# Altium PCB SVPXFMC_Carrier_6U.PcbDoc (part 3 of 3)
Units mm, origin at the board's own origin, x right, y up, seen from the top; angles counter-clockwise.
Board outline 160 x 233.35 mm, 4 copper layers (TopLayer, InternalPlane1, InternalPlane2, BottomLayer), stack 1.6 mm thick; 93 components, 1080 nets, 3926 pads, 0 vias.
Unrouted connection lines stored in the file: 1293.
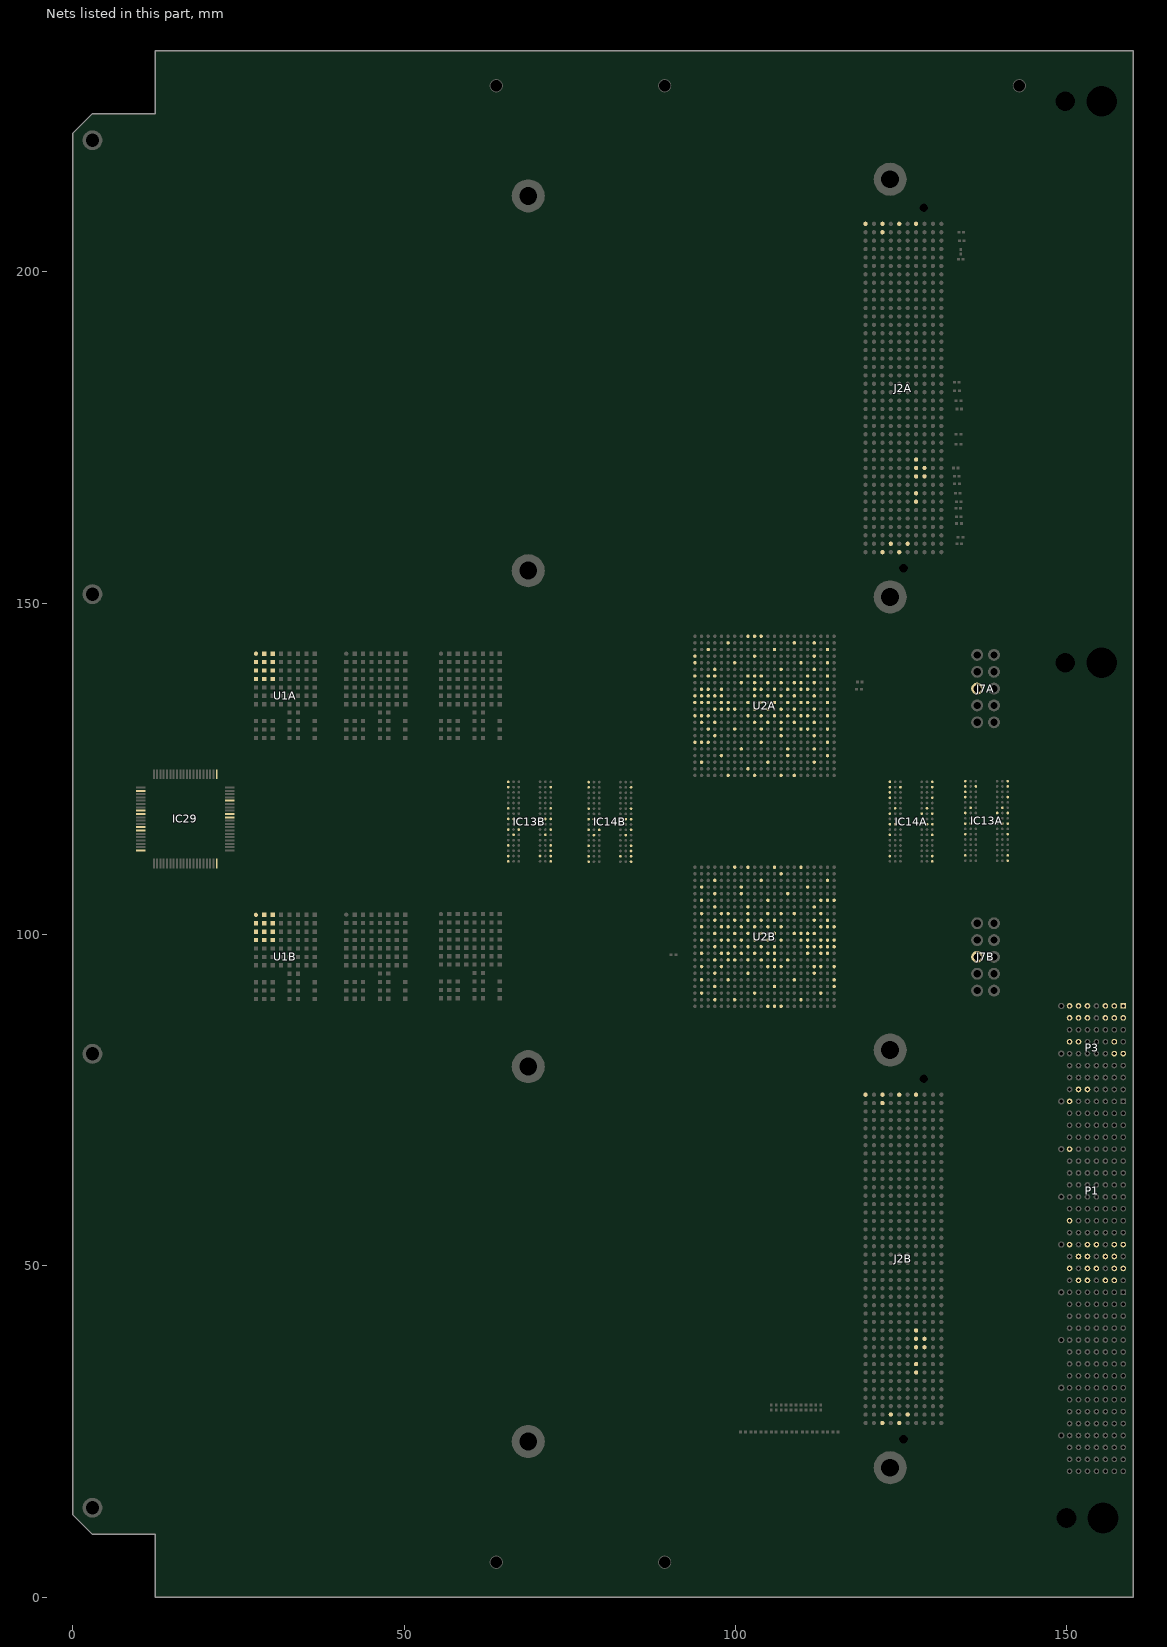
[diagram p5: the nets of this part, all layers, seen from the top]

## Nets (pads, with @x,y where several pads share a name; then routed paths per layer and width w, separated by ;. In a path a pad name is that pad's centre, name@x,y a point inside that pad or via, vN(x,y) a via of type N, cw(c..) or ccw(c..) an arc to the next point about the centre after c; other vN are vias at no path point) (continued)
NetR95B_2: U2B.R9
NetR98A_1: U2A.U2 U2A.U3
NetR98B_1: U2B.U2 U2B.U3
NetR99A_1: U2A.AB10
NetR99B_1: U2B.AB10
NetR100A_2: U2A.AB14
NetR100B_2: U2B.AB14
NetR101A_1: U2A.V15
NetR101B_1: U2B.V15
NetR105_2: 
NetR106_2: 
NetR107_2: 
NetR108_2: 
NRESETA: U2A.N1
NRESETB: U2B.N1
P1V0: U1A.A1 U1A.A2 U1A.A3 U1A.B1 U1A.B2 U1A.B3 U1A.C1 U1A.C2 U1A.C3 U1A.D1 U1A.D2 U1A.D3 U1B.A1 U1B.A2 U1B.A3 U1B.B1 U1B.B2 U1B.B3 U1B.C1 U1B.C2 U1B.C3 U1B.D1 U1B.D2 U1B.D3
P1V0_CORE: U2A.J15 U2A.K12 U2A.K14 U2A.K16 U2A.L11 U2A.L15 U2A.L17 U2A.M12 U2A.M14 U2A.M16 U2A.N11 U2A.N13 U2A.N15 U2A.N17 U2B.J15 U2B.K12 U2B.K14 U2B.K16 U2B.L11 U2B.L15 U2B.L17 U2B.M12 U2B.M14 U2B.M16 U2B.N11 U2B.N13 U2B.N15 U2B.N17
P1V0_XCVR: U2A.B19 U2A.C21 U2A.E21 U2A.G21 U2A.H19 U2A.J21 U2A.K19 U2A.L21 U2A.M19 U2A.N21 U2A.P19 U2A.R21 U2A.T19 U2A.U21 U2A.W21 U2A.Y19 U2B.B19 U2B.C21 U2B.E21 U2B.G21 U2B.H19 U2B.J21 U2B.K19 U2B.L21 U2B.M19 U2B.N21 U2B.P19 U2B.R21 U2B.T19 U2B.U21 U2B.W21 U2B.Y19
P1V2: 
P1V2_DDR: IC13A.A1 IC13A.A9 IC13A.B3 IC13A.B9 IC13A.C1 IC13A.D1 IC13A.D9 IC13A.F2 IC13A.F8 IC13A.G1 IC13A.G7 IC13A.G9 IC13A.J1 IC13A.J2 IC13A.J8 IC13A.J9 IC13A.L1 IC13A.L9 IC13A.R1 IC13A.T9 IC13B.A1 IC13B.A9 IC13B.B3 IC13B.B9 IC13B.C1 IC13B.D1 IC13B.D9 IC13B.F2 IC13B.F8 IC13B.G1 IC13B.G7 IC13B.G9 IC13B.J1 IC13B.J2 IC13B.J8 IC13B.J9 IC13B.L1 IC13B.L9 IC13B.R1 IC13B.T9 IC14A.A1 IC14A.A9 IC14A.B3 IC14A.B9 IC14A.C1 IC14A.D1 IC14A.D9 IC14A.F2 IC14A.F8 IC14A.G1 IC14A.G7 IC14A.G9 IC14A.J1 IC14A.J2 IC14A.J8 IC14A.J9 IC14A.L1 IC14A.L9 IC14A.R1 IC14A.T9 IC14B.A1 IC14B.A9 IC14B.B3 IC14B.B9 IC14B.C1 IC14B.D1 IC14B.D9 IC14B.F2 IC14B.F8 IC14B.G1 IC14B.G7 IC14B.G9 IC14B.J1 IC14B.J2 IC14B.J8 IC14B.J9 IC14B.L1 IC14B.L9 IC14B.R1 IC14B.T9 U2A.AA9 U2A.AB6 U2A.AB16 U2A.R11 U2A.T14 U2A.U1 U2A.U11 U2A.V8 U2A.W5 U2A.W15 U2A.Y2 U2A.Y12 U2B.AA9 U2B.AB6 U2B.AB16 U2B.R11 U2B.T14 U2B.U1 U2B.U11 U2B.V8 U2B.W5 U2B.W15 U2B.Y2 U2B.Y12
P1V8: U2A.P12 U2A.P14 U2A.P16 U2A.R14 U2B.P12 U2B.P14 U2B.P16 U2B.R14
P1V8_LDO: 
P2V5: IC13A.B1 IC13A.R9 IC13B.B1 IC13B.R9 IC14A.B1 IC14A.R9 IC14B.B1 IC14B.R9 J7A.6 J7B.6 U2A.A9 U2A.B6 U2A.B16 U2A.C3 U2A.C13 U2A.D10 U2A.E7 U2A.E17 U2A.F4 U2A.F14 U2A.G1 U2A.G11 U2A.H17 U2A.J5 U2A.K2 U2A.L9 U2A.M6 U2A.N3 U2A.R7 U2A.T4 U2B.A9 U2B.B6 U2B.B16 U2B.C3 U2B.C13 U2B.D10 U2B.E7 U2B.E17 U2B.F4 U2B.F14 U2B.G1 U2B.G11 U2B.H17 U2B.J5 U2B.K2 U2B.L9 U2B.M6 U2B.N3 U2B.R7 U2B.T4
P2V5_Buck: 
P2V5_PLL: U2A.G18 U2A.L18 U2A.R18 U2A.V19 U2B.G18 U2B.L18 U2B.R18 U2B.V19
P2V5_XCVR: U2A.J10 U2A.J17 U2A.J18 U2A.L13 U2A.N18 U2A.P10 U2A.R17 U2B.J10 U2B.J17 U2B.J18 U2B.L13 U2B.N18 U2B.P10 U2B.R17
P3V3: U2A.H8 U2A.H12 U2A.K10 U2A.M10 U2A.N9 U2B.H8 U2B.H12 U2B.K10 U2B.M10 U2B.N9
P3V3_A: 
P3V3_B: 
P3V3_buck: 
P3V3_M: IC29.20 IC29.40 IC29.61
P5V0: 
PF_A10A: U2A.A10
PF_A10B: U2B.A10
PF_A11A: U2A.A11
PF_A11B: U2B.A11
PG_C2MA: J2A.d1
PG_C2MB: J2B.d1
PG_M2CA: J2A.f1
PG_M2CB: J2B.f1
PHY_MDC_PCIE0A: U2A.N2
PHY_MDC_PCIE0B: U2B.N2
PHY_MDIO_PCIE0A: U2A.P2
PHY_MDIO_PCIE0B: U2B.P2
PRSNT_M2C_LA: J2A.h2
PRSNT_M2C_LB: J2B.h2
REF_2V048: IC29.2
REF_CLK_A_N: P3.F8 U2A.R3
REF_CLK_A_P: P3.E8 U2A.P4
REF_CLK_AB_N: P1.G11 U2B.R3
REF_CLK_AB_P: P1.G13 U2B.P4
REFINA: 
REFINB: 
RGMII1_RX_CLKA: U2A.K3
RGMII1_RX_CLKB: U2B.K3
RGMII1_RX_CTLA: U2A.J3
RGMII1_RX_CTLB: U2B.J3
RGMII1_RXD0A: U2A.L1
RGMII1_RXD0B: U2B.L1
RGMII1_RXD1A: U2A.K1
RGMII1_RXD1B: U2B.K1
RGMII1_RXD2A: U2A.J2
RGMII1_RXD2B: U2B.J2
RGMII1_RXD3A: U2A.L2
RGMII1_RXD3B: U2B.L2
RGMII1_TX_CLKA: 
RGMII1_TX_CLKB: 
RGMII1_TX_CTLA: 
RGMII1_TX_CTLB: 
RGMII1_TXD0A: 
RGMII1_TXD0B: 
RGMII1_TXD1A: 
RGMII1_TXD1B: 
RGMII1_TXD2A: 
RGMII1_TXD2B: 
RGMII1_TXD3A: 
RGMII1_TXD3B: 
RST_A: P3.B4
RST_B: P1.G15
RxD: IC29.9
SC_IO_CFG_INTERFACEA: U2A.G9
SC_IO_CFG_INTERFACEB: U2B.G9
SC_SPI_ENABLEA: U2A.H10
SC_SPI_ENABLEB: U2B.H10
SC_SPI_SCKA: U2A.G3
SC_SPI_SCKB: U2B.G3
SC_SPI_SDIA: U2A.G10
SC_SPI_SDIB: U2B.G10
SC_SPI_SDOA: 
SC_SPI_SDOB: 
SC_SPI_SSA: U2A.G4
SC_SPI_SSB: U2B.G4
SCLA: J2A.c30 U2A.E1
SCLB: J2B.c30 U2B.E1
SDAA: J2A.c31 U2A.D1
SDAB: J2B.c31 U2B.D1
SM0: IC29.52 P3.B5
SM1: IC29.51 P3.A5
SM2: P3.G4
SM3: IC29.56 P3.F4
SPI0_FLASH_SCKA: 
SPI0_FLASH_SCKB: 
SPI0_FLASH_SDIA: 
SPI0_FLASH_SDIB: 
SPI0_FLASH_SDOA: 
SPI0_FLASH_SDOB: 
SPI0_FLASH_SSA: 
SPI0_FLASH_SSB: 
SpW_A_Din_N: P1.C16 U2A.M4
SpW_A_Din_P: P1.B16 U2A.L3
SpW_A_Dout_N: P1.F16 U2A.M7
SpW_A_Dout_P: P1.E16 U2A.L6
SpW_A_Sin_N: P1.B15 U2A.M5
SpW_A_Sin_P: P1.A15 U2A.L5
SpW_A_Sout_N: P1.E15 U2A.K4
SpW_A_Sout_P: P1.D15 U2A.K5
SpW_B_Din_N: P1.C14 U2B.M4
SpW_B_Din_P: P1.B14 U2B.L3
SpW_B_Dout_N: P1.F14 U2B.M7
SpW_B_Dout_P: P1.E14 U2B.L6
SpW_B_Sin_N: P1.B13 U2B.M5
SpW_B_Sin_P: P1.A13 U2B.L5
SpW_B_Sout_N: P1.E13 U2B.K4
SpW_B_Sout_P: P1.D13 U2B.K5
SYS_CON: P1.G5
SYS_CON_P: P1.G1
TCKA: J2A.d29
TCKB: J2B.d29
TDIA: J2A.d30
TDIB: J2B.d30
TDOA: J2A.d31
TDOB: J2B.d31
TEMP_SCL: IC29.14
TEMP_SDA: IC29.13
TMSA: J2A.d33
TMSB: J2B.d33
TPS_ENA: 
TPS_ENB: 
TPS_FBA: 
TPS_FBB: 
TPS_LBIA: 
TPS_LBIB: 
TPS_LBOA: 
TPS_LBOB: 
TPS_PGA: 
TPS_PGB: 
TPS_SWA: 
TPS_SWB: 
TPS_SYNCA: 
TPS_SYNCB: 
TPS_VINA: 
TPS_VOUTA: 
TPS_VOUTB: 
TRST_LA: J2A.d34
TRST_LB: J2B.d34
TxD: IC29.8
UPD_SCKA: 
UPD_SCKB: 
UPD_SDIA: 
UPD_SDIB: 
UPD_SDOA: 
UPD_SDOB: 
UPD_SELA: 
UPD_SELB: 
UPD_SSA: 
UPD_SSB: 
VADJA: J2A.e39 J2A.f40 J2A.g39 J2A.h40
VADJB: J2B.e39 J2B.f40 J2B.g39 J2B.h40
VDDAUX2: U2A.H14 U2A.H16 U2A.J11 U2A.J13 U2B.H14 U2B.H16 U2B.J11 U2B.J13
VINA: 
VINB: 
VOSNSA: 
VOSNSB: 
VOUTA: 
VOUTB: 
VREF_A_M2CA: J2A.h1
VREF_A_M2CB: J2B.h1
VREF_B_M2CA: J2A.k1
VREF_B_M2CB: J2B.k1
VS1: P3.E1 P3.E2 P3.F1 P3.F2 P3.G1 P3.G2
VS2: P3.A1 P3.A2 P3.B1 P3.B2 P3.C1 P3.C2
VTT32: 
XCVR_VREFA: U2A.D19 U2A.F19
XCVR_VREFB: U2B.D19 U2B.F19
pads on no net: B1.1 B1_1.1 B2.1 B2_1.1 B3.1 B3_1.1 B4.1 B4_1.1 C204A.1 C204B.1 C205A.1 C205B.1 IC13A.T7 IC13B.T7 IC14A.T7 IC14B.T7 IC29.11 IC29.12 IC29.15 IC29.25 IC29.26 IC29.50 IC29.59 IC29.75 IC29.77 IC29.78 J2.1 J2.2 J2.a1 J2.a2 J2.a3 J2.a4 J2.a5 J2.a6 J2.a7 J2.a8 J2.a9 J2.a10 J2.a11 J2.a12 J2.a13 J2.a14 J2.a15 J2.a16 J2.a17 J2.a18 J2.a19 J2.a20 J2.a21 J2.a22 J2.a23 J2.a24 J2.a25 J2.a26 J2.a27 J2.a28 J2.a29 J2.a30 J2.a31 J2.a32 J2.a33 J2.a34 J2.a35 J2.a36 J2.a37 J2.a38 J2.a39 J2.a40 J2.b1 J2.b2 J2.b3 J2.b4 J2.b5 J2.b6 J2.b7 J2.b8 J2.b9 J2.b10 J2.b11 J2.b12 J2.b13 J2.b14 J2.b15 J2.b16 J2.b17 J2.b18 J2.b19 J2.b20 J2.b21 J2.b22 J2.b23 J2.b24 J2.b25 J2.b26 J2.b27 J2.b28 J2.b29 J2.b30 J2.b31 J2.b32 J2.b33 J2.b34 J2.b35 J2.b36 J2.b37 J2.b38 J2.b39 J2.b40 J2.c1 J2.c2 J2.c3 J2.c4 J2.c5 J2.c6 J2.c7 J2.c8 J2.c9 J2.c10 J2.c11 J2.c12 J2.c13 J2.c14 J2.c15 J2.c16 J2.c17 J2.c18 J2.c19 J2.c20 J2.c21 J2.c22 J2.c23 J2.c24 J2.c25 J2.c26 J2.c27 J2.c28 J2.c29 J2.c30 J2.c31 J2.c32 J2.c33 J2.c34 J2.c35 J2.c36 J2.c37 J2.c38 J2.c39 J2.c40 J2.d1 J2.d2 J2.d3 J2.d4 J2.d5 J2.d6 J2.d7 J2.d8 J2.d9 J2.d10 J2.d11 J2.d12 J2.d13 J2.d14 J2.d15 J2.d16 J2.d17 J2.d18 J2.d19 J2.d20 J2.d21 J2.d22 J2.d23 J2.d24 J2.d25 J2.d26 J2.d27 J2.d28 J2.d29 J2.d30 J2.d31 J2.d32 J2.d33 J2.d34 J2.d35 J2.d36 J2.d37 J2.d38 J2.d39 J2.d40 J2.e1 J2.e2 J2.e3 J2.e4 J2.e5 J2.e6 J2.e7 J2.e8 J2.e9 J2.e10 J2.e11 J2.e12 J2.e13 J2.e14 J2.e15 J2.e16 J2.e17 J2.e18 J2.e19 J2.e20 J2.e21 J2.e22 J2.e23 J2.e24 J2.e25 J2.e26 J2.e27 J2.e28 J2.e29 J2.e30 J2.e31 J2.e32 J2.e33 J2.e34 J2.e35 J2.e36 J2.e37 J2.e38 J2.e39 J2.e40 J2.f1 J2.f2 J2.f3 J2.f4 J2.f5 J2.f6 J2.f7 J2.f8 J2.f9 J2.f10 J2.f11 J2.f12 J2.f13 J2.f14 J2.f15 J2.f16 J2.f17 J2.f18 J2.f19 J2.f20 J2.f21 J2.f22 J2.f23 J2.f24 J2.f25 J2.f26 J2.f27 J2.f28 J2.f29 J2.f30 J2.f31 J2.f32 J2.f33 J2.f34 J2.f35 J2.f36 J2.f37 J2.f38 J2.f39 J2.f40 J2.g1 J2.g2 J2.g3 J2.g4 J2.g5 J2.g6 J2.g7 J2.g8 J2.g9 J2.g10 J2.g11 J2.g12 J2.g13 J2.g14 J2.g15 J2.g16 J2.g17 J2.g18 J2.g19 J2.g20 J2.g21 J2.g22 J2.g23 J2.g24 J2.g25 J2.g26 J2.g27 J2.g28 J2.g29 J2.g30 J2.g31 J2.g32 J2.g33 J2.g34 J2.g35 J2.g36 J2.g37 J2.g38 J2.g39 J2.g40 J2.h1 J2.h2 J2.h3 J2.h4 J2.h5 J2.h6 J2.h7 J2.h8 J2.h9 J2.h10 J2.h11 J2.h12 J2.h13 J2.h14 J2.h15 J2.h16 J2.h17 J2.h18 J2.h19 J2.h20 J2.h21 J2.h22 J2.h23 J2.h24 J2.h25 J2.h26 J2.h27 J2.h28 J2.h29 J2.h30 J2.h31 J2.h32 J2.h33 J2.h34 J2.h35 J2.h36 J2.h37 J2.h38 J2.h39 J2.h40 J2.j1 J2.j2 J2.j3 J2.j4 J2.j5 J2.j6 J2.j7 J2.j8 J2.j9 J2.j10 J2.j11 J2.j12 J2.j13 J2.j14 J2.j15 J2.j16 J2.j17 J2.j18 J2.j19 J2.j20 J2.j21 J2.j22 J2.j23 J2.j24 J2.j25 J2.j26 J2.j27 J2.j28 J2.j29 J2.j30 J2.j31 J2.j32 J2.j33 J2.j34 J2.j35 J2.j36 J2.j37 J2.j38 J2.j39 J2.j40 J2.k1 J2.k2 J2.k3 J2.k4 J2.k5 J2.k6 J2.k7 J2.k8 J2.k9 J2.k10 J2.k11 J2.k12 J2.k13 J2.k14 J2.k15 J2.k16 J2.k17 J2.k18 J2.k19 J2.k20 J2.k21 J2.k22 J2.k23 J2.k24 J2.k25 J2.k26 J2.k27 J2.k28 J2.k29 J2.k30 J2.k31 J2.k32 J2.k33 J2.k34 J2.k35 J2.k36 J2.k37 J2.k38 J2.k39 J2.k40 J2_1.1 J2_1.2 J2_1.a1 J2_1.a2 J2_1.a3 J2_1.a4 J2_1.a5 J2_1.a6 J2_1.a7 J2_1.a8 J2_1.a9 J2_1.a10 J2_1.a11 J2_1.a12 J2_1.a13 J2_1.a14 J2_1.a15 J2_1.a16 J2_1.a17 J2_1.a18 J2_1.a19 J2_1.a20 J2_1.a21 J2_1.a22 J2_1.a23 J2_1.a24 J2_1.a25 J2_1.a26 J2_1.a27 J2_1.a28 J2_1.a29 J2_1.a30 J2_1.a31 J2_1.a32 J2_1.a33 J2_1.a34 J2_1.a35 J2_1.a36 J2_1.a37 J2_1.a38 J2_1.a39 J2_1.a40 J2_1.b1 J2_1.b2 J2_1.b3 J2_1.b4 J2_1.b5 J2_1.b6 J2_1.b7 J2_1.b8 J2_1.b9 J2_1.b10 J2_1.b11 J2_1.b12 J2_1.b13 J2_1.b14 J2_1.b15 J2_1.b16 J2_1.b17 J2_1.b18 J2_1.b19 J2_1.b20 J2_1.b21 J2_1.b22 J2_1.b23 J2_1.b24 J2_1.b25 J2_1.b26 J2_1.b27 J2_1.b28 J2_1.b29 J2_1.b30 J2_1.b31 J2_1.b32 J2_1.b33 J2_1.b34 J2_1.b35 J2_1.b36 J2_1.b37 J2_1.b38 J2_1.b39 J2_1.b40 J2_1.c1 J2_1.c2 J2_1.c3 J2_1.c4 J2_1.c5 J2_1.c6 J2_1.c7 J2_1.c8 J2_1.c9 J2_1.c10 J2_1.c11 J2_1.c12 J2_1.c13 J2_1.c14 J2_1.c15 J2_1.c16 J2_1.c17 J2_1.c18 J2_1.c19 J2_1.c20 J2_1.c21 J2_1.c22 J2_1.c23 J2_1.c24 J2_1.c25 J2_1.c26 J2_1.c27 J2_1.c28 J2_1.c29 J2_1.c30 J2_1.c31 J2_1.c32 J2_1.c33 J2_1.c34 J2_1.c35 J2_1.c36 J2_1.c37 J2_1.c38 J2_1.c39 J2_1.c40 J2_1.d1 J2_1.d2 J2_1.d3 J2_1.d4 J2_1.d5 J2_1.d6 J2_1.d7 J2_1.d8 J2_1.d9 J2_1.d10 J2_1.d11 J2_1.d12 J2_1.d13 J2_1.d14 J2_1.d15 J2_1.d16 J2_1.d17 J2_1.d18 J2_1.d19 J2_1.d20 J2_1.d21 J2_1.d22 J2_1.d23 J2_1.d24 J2_1.d25 J2_1.d26 J2_1.d27 J2_1.d28 J2_1.d29 J2_1.d30 J2_1.d31 J2_1.d32 J2_1.d33 J2_1.d34 J2_1.d35 J2_1.d36 J2_1.d37 J2_1.d38 J2_1.d39 J2_1.d40 J2_1.e1 J2_1.e2 J2_1.e3 J2_1.e4 J2_1.e5 J2_1.e6 J2_1.e7 J2_1.e8 J2_1.e9 J2_1.e10 J2_1.e11 J2_1.e12 J2_1.e13 J2_1.e14 J2_1.e15 J2_1.e16 J2_1.e17 J2_1.e18 J2_1.e19 J2_1.e20 J2_1.e21 J2_1.e22 J2_1.e23 J2_1.e24 J2_1.e25 J2_1.e26 J2_1.e27 J2_1.e28 J2_1.e29 J2_1.e30 J2_1.e31 J2_1.e32 J2_1.e33 J2_1.e34 J2_1.e35 J2_1.e36 J2_1.e37 J2_1.e38 J2_1.e39 J2_1.e40 J2_1.f1 J2_1.f2 J2_1.f3 J2_1.f4 J2_1.f5 J2_1.f6 J2_1.f7 J2_1.f8 J2_1.f9 J2_1.f10 J2_1.f11 J2_1.f12 J2_1.f13 J2_1.f14 J2_1.f15 J2_1.f16 J2_1.f17 J2_1.f18 J2_1.f19 J2_1.f20 J2_1.f21 J2_1.f22 J2_1.f23 J2_1.f24 J2_1.f25 J2_1.f26 J2_1.f27 J2_1.f28 J2_1.f29 J2_1.f30 J2_1.f31 J2_1.f32 J2_1.f33 J2_1.f34 J2_1.f35 J2_1.f36 J2_1.f37 J2_1.f38 J2_1.f39 J2_1.f40 J2_1.g1 J2_1.g2 J2_1.g3 J2_1.g4 J2_1.g5 J2_1.g6 J2_1.g7 J2_1.g8 J2_1.g9 J2_1.g10 J2_1.g11 J2_1.g12 J2_1.g13 J2_1.g14 J2_1.g15 J2_1.g16 J2_1.g17 J2_1.g18 J2_1.g19 J2_1.g20 J2_1.g21 J2_1.g22 J2_1.g23 J2_1.g24 J2_1.g25 J2_1.g26 J2_1.g27 J2_1.g28 J2_1.g29 J2_1.g30 J2_1.g31 J2_1.g32 J2_1.g33 J2_1.g34 J2_1.g35 J2_1.g36 J2_1.g37 J2_1.g38 J2_1.g39 J2_1.g40 J2_1.h1 J2_1.h2 J2_1.h3 J2_1.h4 J2_1.h5 J2_1.h6 J2_1.h7 J2_1.h8 J2_1.h9 J2_1.h10 J2_1.h11 J2_1.h12 J2_1.h13 J2_1.h14 J2_1.h15 J2_1.h16 J2_1.h17 J2_1.h18 J2_1.h19 J2_1.h20 J2_1.h21 J2_1.h22 J2_1.h23 J2_1.h24 J2_1.h25 J2_1.h26 J2_1.h27 J2_1.h28 J2_1.h29 J2_1.h30 J2_1.h31 J2_1.h32 J2_1.h33 J2_1.h34 J2_1.h35 J2_1.h36 J2_1.h37 J2_1.h38 J2_1.h39 J2_1.h40 J2_1.j1 J2_1.j2 J2_1.j3 J2_1.j4 J2_1.j5 J2_1.j6 J2_1.j7 J2_1.j8 J2_1.j9 J2_1.j10 J2_1.j11 J2_1.j12 J2_1.j13 J2_1.j14 J2_1.j15 J2_1.j16 J2_1.j17 J2_1.j18 J2_1.j19 J2_1.j20 J2_1.j21 J2_1.j22 J2_1.j23 J2_1.j24 J2_1.j25 J2_1.j26 J2_1.j27 J2_1.j28 J2_1.j29 J2_1.j30 J2_1.j31 J2_1.j32 J2_1.j33 J2_1.j34 J2_1.j35 J2_1.j36 J2_1.j37 J2_1.j38 J2_1.j39 J2_1.j40 J2_1.k1 J2_1.k2 J2_1.k3 J2_1.k4 J2_1.k5 J2_1.k6 J2_1.k7 J2_1.k8 J2_1.k9 J2_1.k10 J2_1.k11 J2_1.k12 J2_1.k13 J2_1.k14 J2_1.k15 J2_1.k16 J2_1.k17 J2_1.k18 J2_1.k19 J2_1.k20 J2_1.k21 J2_1.k22 J2_1.k23 J2_1.k24 J2_1.k25 J2_1.k26 J2_1.k27 J2_1.k28 J2_1.k29 J2_1.k30 J2_1.k31 J2_1.k32 J2_1.k33 J2_1.k34 J2_1.k35 J2_1.k36 J2_1.k37 J2_1.k38 J2_1.k39 J2_1.k40 J2A.1 J2A.2 J2A.b40 J2A.j39 J2A.k40 J2B.1 J2B.2 J2B.b40 J2B.j39 J2B.k40 J7A.4 J7A.7 J7B.4 J7B.7 K1.MH1 K1.MH2 K2.MH1 K2.MH2 K3.MH1 K3.MH2 P1.A1 P1.A3 P1.A5 P1.A7 P1.A9 P1.A11 P1.B1 P1.B2 P1.B3 P1.B4 P1.B5 P1.B6 P1.B7 P1.B9 P1.B10 P1.B11 P1.B12 P1.C2 P1.C4 P1.C6 P1.C10 P1.C12 P1.D1 P1.D3 P1.D5 P1.D7 P1.D9 P1.D11 P1.E1 P1.E2 P1.E3 P1.E4 P1.E5 P1.E6 P1.E7 P1.E9 P1.E10 P1.E11 P1.E12 P1.F2 P1.F4 P1.F6 P1.F10 P1.F12 P1.G3 P1.MH1 P1.MH2 P1.MH3 P1.MH4 P2.A1 P2.A2 P2.A3 P2.A4 P2.A5 P2.A6 P2.A7 P2.A8 P2.A9 P2.A10 P2.A11 P2.A12 P2.A13 P2.A14 P2.A15 P2.A16 P2.B1 P2.B2 P2.B3 P2.B4 P2.B5 P2.B6 P2.B7 P2.B8 P2.B9 P2.B10 P2.B11 P2.B12 P2.B13 P2.B14 P2.B15 P2.B16 P2.C1 P2.C2 P2.C3 P2.C4 P2.C5 P2.C6 P2.C7 P2.C8 P2.C9 P2.C10 P2.C11 P2.C12 P2.C13 P2.C14 P2.C15 P2.C16 P2.D1 P2.D2 P2.D3 P2.D4 P2.D5 P2.D6 P2.D7 P2.D8 P2.D9 P2.D10 P2.D11 P2.D12 P2.D13 P2.D14 P2.D15 P2.D16 P2.E1 P2.E2 P2.E3 P2.E4 P2.E5 P2.E6 P2.E7 P2.E8 P2.E9 P2.E10 P2.E11 P2.E12 P2.E13 P2.E14 P2.E15 P2.E16 P2.F1 P2.F2 P2.F3 P2.F4 P2.F5 P2.F6 P2.F7 P2.F8 P2.F9 P2.F10 P2.F11 P2.F12 P2.F13 P2.F14 P2.F15 P2.F16 P2.G1 P2.G2 P2.G3 P2.G4 P2.G5 P2.G6 P2.G7 P2.G8 P2.G9 P2.G10 P2.G11 P2.G12 P2.G13 P2.G14 P2.G15 P2.G16 P2.MH1 P2.MH2 P2.MH3 P2.MH4 P3.A3 P3.A4 P3.A7 P3.B3 P3.B7 P3.C3 P3.D1 P3.D2 P3.D3 P3.D4 P3.D5 P3.D6 P3.D7 P3.E3 P3.E7 P3.F3 P3.G3 P3.G7 P3.MH1 P3.MH2 U1A.A4 U1A.A5 U1A.A6 U1A.A7 U1A.A8 U1A.B4 U1A.B5 U1A.B6 U1A.B7 U1A.B8 U1A.C4 U1A.C5 U1A.C6 U1A.C7 U1A.C8 U1A.D4 U1A.D5 U1A.D6 U1A.D7 U1A.D8 U1A.E1 U1A.E2 U1A.E3 U1A.E4 U1A.E5 U1A.E6 U1A.E7 U1A.E8 U1A.F1 U1A.F2 U1A.F3 U1A.F4 U1A.F5 U1A.F6 U1A.F7 U1A.F8 U1A.G1 U1A.G2 U1A.G3 U1A.G4 U1A.G5 U1A.G6 U1A.G7 U1A.G8 U1A.H5 U1A.H6 U1A.J1 U1A.J2 U1A.J3 U1A.J5 U1A.J6 U1A.J8 U1A.K1 U1A.K2 U1A.K3 U1A.K5 U1A.K6 U1A.K8 U1A.L1 U1A.L2 U1A.L3 U1A.L5 U1A.L6 U1A.L8 U1B.A4 U1B.A5 U1B.A6 U1B.A7 U1B.A8 U1B.B4 U1B.B5 U1B.B6 U1B.B7 U1B.B8 U1B.C4 U1B.C5 U1B.C6 U1B.C7 U1B.C8 U1B.D4 U1B.D5 U1B.D6 U1B.D7 U1B.D8 U1B.E1 U1B.E2 U1B.E3 U1B.E4 U1B.E5 U1B.E6 U1B.E7 U1B.E8 U1B.F1 U1B.F2 U1B.F3 U1B.F4 U1B.F5 U1B.F6 U1B.F7 U1B.F8 U1B.G1 U1B.G2 U1B.G3 U1B.G4 U1B.G5 U1B.G6 U1B.G7 U1B.G8 U1B.H5 U1B.H6 U1B.J1 U1B.J2 U1B.J3 U1B.J5 U1B.J6 U1B.J8 U1B.K1 U1B.K2 U1B.K3 U1B.K5 U1B.K6 U1B.K8 U1B.L1 U1B.L2 U1B.L3 U1B.L5 U1B.L6 U1B.L8 U2A.A15 U2A.A16 U2A.AA1 U2A.AA16 U2A.AA17 U2A.AB5 U2A.AB17 U2A.C16 U2A.C17 U2A.D21 U2A.D22 U2A.E11 U2A.E19 U2A.E20 U2A.F11 U2A.H5 U2A.J6 U2A.J7 U2A.J8 U2A.K6 U2A.K8 U2A.L7 U2A.L8 U2A.M2 U2A.M9 U2A.N4 U2A.N19 U2A.N20 U2A.P3 U2A.R16 U2A.T2 U2A.T3 U2A.T5 U2A.T6 U2A.T16 U2A.T17 U2A.U17 U2A.U19 U2A.U20 U2A.V2 U2A.V16 U2A.V17 U2A.W2 U2A.W16 U2A.W17 U2A.Y8 U2A.Y16 U2B.A15 U2B.A16 U2B.AA1 U2B.AA16 U2B.AA17 U2B.AB5 U2B.AB17 U2B.C16 U2B.C17 U2B.D21 U2B.D22 U2B.E11 U2B.E19 U2B.E20 U2B.F11 U2B.H5 U2B.J6 U2B.J7 U2B.J8 U2B.K6 U2B.K8 U2B.L7 U2B.L8 U2B.M2 U2B.M9 U2B.N4 U2B.N19 U2B.N20 U2B.P3 U2B.R16 U2B.T2 U2B.T3 U2B.T5 U2B.T6 U2B.T16 U2B.T17 U2B.U17 U2B.U19 U2B.U20 U2B.V2 U2B.V16 U2B.V17 U2B.W2 U2B.W16 U2B.W17 U2B.Y8 U2B.Y16 U3A.A1 U3A.A2 U3A.A3 U3A.A4 U3A.A5 U3A.A6 U3A.A7 U3A.A8 U3A.B1 U3A.B2 U3A.B3 U3A.B4 U3A.B5 U3A.B6 U3A.B7 U3A.B8 U3A.C1 U3A.C2 U3A.C3 U3A.C4 U3A.C5 U3A.C6 U3A.C7 U3A.C8 U3A.D1 U3A.D2 U3A.D3 U3A.D4 U3A.D5 U3A.D6 U3A.D7 U3A.D8 U3A.E1 U3A.E2 U3A.E3 U3A.E4 U3A.E5 U3A.E6 U3A.E7 U3A.E8 U3A.F1 U3A.F2 U3A.F3 U3A.F4 U3A.F5 U3A.F6 U3A.F7 U3A.F8 U3A.G1 U3A.G2 U3A.G3 U3A.G4 U3A.G5 U3A.G6 U3A.G7 U3A.G8 U3A.H5 U3A.H6 U3A.J1 U3A.J2 U3A.J3 U3A.J5 U3A.J6 U3A.J8 U3A.K1 U3A.K2 U3A.K3 U3A.K5 U3A.K6 U3A.K8 U3A.L1 U3A.L2 U3A.L3 U3A.L5 U3A.L6 U3A.L8 U3B.A1 U3B.A2 U3B.A3 U3B.A4 U3B.A5 U3B.A6 U3B.A7 U3B.A8 U3B.B1 U3B.B2 U3B.B3 U3B.B4 U3B.B5 U3B.B6 U3B.B7 U3B.B8 U3B.C1 U3B.C2 U3B.C3 U3B.C4 U3B.C5 U3B.C6 U3B.C7 U3B.C8 U3B.D1 U3B.D2 U3B.D3 U3B.D4 U3B.D5 U3B.D6 U3B.D7 U3B.D8 U3B.E1 U3B.E2 U3B.E3 U3B.E4 U3B.E5 U3B.E6 U3B.E7 U3B.E8 U3B.F1 U3B.F2 U3B.F3 U3B.F4 U3B.F5 U3B.F6 U3B.F7 U3B.F8 U3B.G1 U3B.G2 U3B.G3 U3B.G4 U3B.G5 U3B.G6 U3B.G7 U3B.G8 U3B.H5 U3B.H6 U3B.J1 U3B.J2 U3B.J3 U3B.J5 U3B.J6 U3B.J8 U3B.K1 U3B.K2 U3B.K3 U3B.K5 U3B.K6 U3B.K8 U3B.L1 U3B.L2 U3B.L3 U3B.L5 U3B.L6 U3B.L8 U6A.A1 U6A.A2 U6A.A3 U6A.A4 U6A.A5 U6A.A6 U6A.A7 U6A.A8 U6A.B1 U6A.B2 U6A.B3 U6A.B4 U6A.B5 U6A.B6 U6A.B7 U6A.B8 U6A.C1 U6A.C2 U6A.C3 U6A.C4 U6A.C5 U6A.C6 U6A.C7 U6A.C8 U6A.D1 U6A.D2 U6A.D3 U6A.D4 U6A.D5 U6A.D6 U6A.D7 U6A.D8 U6A.E1 U6A.E2 U6A.E3 U6A.E4 U6A.E5 U6A.E6 U6A.E7 U6A.E8 U6A.F1 U6A.F2 U6A.F3 U6A.F4 U6A.F5 U6A.F6 U6A.F7 U6A.F8 U6A.G1 U6A.G2 U6A.G3 U6A.G4 U6A.G5 U6A.G6 U6A.G7 U6A.G8 U6A.H5 U6A.H6 U6A.J1 U6A.J2 U6A.J3 U6A.J5 U6A.J6 U6A.J8 U6A.K1 U6A.K2 U6A.K3 U6A.K5 U6A.K6 U6A.K8 U6A.L1 U6A.L2 U6A.L3 U6A.L5 U6A.L6 U6A.L8 U6B.A1 U6B.A2 U6B.A3 U6B.A4 U6B.A5 U6B.A6 U6B.A7 U6B.A8 U6B.B1 U6B.B2 U6B.B3 U6B.B4 U6B.B5 U6B.B6 U6B.B7 U6B.B8 U6B.C1 U6B.C2 U6B.C3 U6B.C4 U6B.C5 U6B.C6 U6B.C7 U6B.C8 U6B.D1 U6B.D2 U6B.D3 U6B.D4 U6B.D5 U6B.D6 U6B.D7 U6B.D8 U6B.E1 U6B.E2 U6B.E3 U6B.E4 U6B.E5 U6B.E6 U6B.E7 U6B.E8 U6B.F1 U6B.F2 U6B.F3 U6B.F4 U6B.F5 U6B.F6 U6B.F7 U6B.F8 U6B.G1 U6B.G2 U6B.G3 U6B.G4 U6B.G5 U6B.G6 U6B.G7 U6B.G8 U6B.H5 U6B.H6 U6B.J1 U6B.J2 U6B.J3 U6B.J5 U6B.J6 U6B.J8 U6B.K1 U6B.K2 U6B.K3 U6B.K5 U6B.K6 U6B.K8 U6B.L1 U6B.L2 U6B.L3 U6B.L5 U6B.L6 U6B.L8

## Polygon pours and split planes (outlines as drawn)
no net on InternalPlane1 (split plane): 159.617,0.383 12.883,0.383 12.883,9.5 12.875,9.575 12.854,9.646 12.818,9.713 12.771,9.771 12.713,9.818 12.646,9.854 12.575,9.875 12.5,9.883 3.159,9.883 0.383,12.659 0.383,220.691 3.159,223.467 12.5,223.467 12.575,223.474 12.646,223.496 12.713,223.532 12.771,223.579 12.818,223.637 12.854,223.703 12.875,223.775 12.883,223.85 12.883,232.967 159.617,232.967
no net on InternalPlane2 (split plane): 159.617,0.383 12.883,0.383 12.883,9.5 12.875,9.575 12.854,9.646 12.818,9.713 12.771,9.771 12.713,9.818 12.646,9.854 12.575,9.875 12.5,9.883 3.159,9.883 0.383,12.659 0.383,220.691 3.159,223.467 12.5,223.467 12.575,223.474 12.646,223.496 12.713,223.532 12.771,223.579 12.818,223.637 12.854,223.703 12.875,223.775 12.883,223.85 12.883,232.967 159.617,232.967

## Keep-outs
TopLayer:
  lines w0.254: 6,28.64 6,28.64 ; 141.995,214.71 141.995,214.71
KeepOutLayer:
  lines w0.127: 6.528,17.439 6.528,215.929 8.528,217.929 141.748,217.929 143.68,215.997 143.68,16.921 142.198,15.439 8.528,15.439 6.528,17.439 6.528,17.439

## Silkscreen, mask and mechanical layers (free items; w line width, h text height)
BottomSolder:
  rectangle: 57.618,77.33 71.418,82.33
  rectangle: 57.618,21.33 71.368,26.33
  rectangle: 57.618,80.63 85.093,82.33
  rectangle: 69.118,19.23 80.168,21.63
  rectangle: 79.918,16.63 141.618,21.63
  rectangle: 84.718,80.63 141.618,85.63
  rectangle: 136.618,16.63 141.618,85.63
  rectangle: 136.831,147.839 141.831,216.839
  rectangle: 84.931,211.839 141.831,216.839
  rectangle: 80.131,147.839 141.831,152.839
  rectangle: 69.331,150.439 80.381,152.839
  rectangle: 57.831,211.839 85.306,213.539
  rectangle: 57.831,152.539 71.581,157.539
  rectangle: 57.831,208.539 71.631,213.539
Outline:
  lines w0.1: -0.65,233.35 12.5,233.35 ; 0,235 0,220.85 ; 0,220.85 0,12.5 3,9.5 12.5,9.5 12.5,0 160,0 160,233.35 12.5,233.35 ; 0,220.85 3,223.85 12.5,223.85 12.5,233.35
Mechanical2:
  circle w0.1: c142.82,228.05 r0.75
  circle w0.1: c63.92,5.3 r0.75
  circle w0.1: c3,13.53 r1
  circle w0.1: c3,82 r1
  circle w0.1: c3,219.82 r1
  circle w0.1: c3,151.35 r1
  circle w0.1: c63.92,228.05 r0.75
  circle w0.1: c89.32,228.05 r0.75
  lines w0.1: 1.659,13.53 4,13.53 ; 1.685,219.82 4,219.82 ; 1.871,151.35 4,151.35 ; 1.998,82 4,82 ; 2.997,12.548 2.997,13.53 2.997,14.529 ; 2.997,150.266 2.997,151.35 2.997,152.502 ; 2.997,218.618 2.997,219.82 2.997,220.853 ; 2.999,80.926 2.999,82 2.999,83.056 ; 63.17,228.05 64.67,228.05 ; 63.92,4.55 63.92,5.3 63.92,6.05 ; 63.92,227.1 63.92,228.8 ; 64.67,5.3 63.17,5.3 ; 88.57,228.05 90.07,228.05 ; 89.32,227.3 89.32,228.8 ; 142.079,228.05 143.57,228.05 ; 6.528,17.439 6.528,17.439 8.528,15.439 142.198,15.439 143.68,16.921 143.68,215.997 141.748,217.929 8.528,217.929 6.528,215.929 6.528,17.439 ; 6.528,17.439 6.528,17.439 ; 63.17,5.3 63.17,5.3
Notes:
  text "- Nominal values used, all dimensions are mm." at 106.5,245.5 h1.5
  text "- Stackup is not specified in AV46DOT0.PDF, nor implemented in this template." at 106.5,243.722 h1.5
  text "- The component height constraint is defined in AV46DOT0.pdf, page 90." at 107.5,241.75 h1.5

## Dimensions
18.5,-1 to 25.5,-8.5 on Notes

## Text inside footprints (layer, text, board x,y; h text height)
IC13A: Mechanical14 "T" at 132.771,110.938 h0.4; Mechanical14 "J" at 132.771,116.538 h0.4; Mechanical14 "R" at 132.771,111.738 h0.4; Mechanical14 "P" at 132.771,112.538 h0.4; Mechanical14 "N" at 132.771,113.338 h0.4; Mechanical14 "B" at 132.771,122.138 h0.4; Mechanical14 "C" at 132.771,121.338 h0.4; Mechanical14 "D" at 132.771,120.538 h0.4; Mechanical14 "E" at 132.771,119.738 h0.4; Mechanical14 "F" at 132.771,118.938 h0.4; Mechanical14 "G" at 132.771,118.138 h0.4; Mechanical14 "H" at 132.771,117.338 h0.4; Mechanical14 "M" at 132.771,114.138 h0.4; Mechanical14 "K" at 132.771,115.738 h0.4; Mechanical14 "L" at 132.771,114.938 h0.4; Mechanical14 "9" at 140.946,124.413 h0.4; Mechanical14 "8" at 140.146,124.413 h0.4; Mechanical14 "7" at 139.346,124.413 h0.4; Mechanical14 "3" at 136.146,124.413 h0.4; Mechanical14 "2" at 135.346,124.413 h0.4; Mechanical14 "1" at 134.546,124.413 h0.4
IC13B: Mechanical14 "T" at 74.023,123.238 h0.4 r180; Mechanical14 "J" at 74.023,117.638 h0.4 r180; Mechanical14 "R" at 74.023,122.438 h0.4 r180; Mechanical14 "P" at 74.023,121.638 h0.4 r180; Mechanical14 "N" at 74.023,120.838 h0.4 r180; Mechanical14 "B" at 74.023,112.038 h0.4 r180; Mechanical14 "C" at 74.023,112.838 h0.4 r180; Mechanical14 "D" at 74.023,113.638 h0.4 r180; Mechanical14 "E" at 74.023,114.438 h0.4 r180; Mechanical14 "F" at 74.023,115.238 h0.4 r180; Mechanical14 "G" at 74.023,116.038 h0.4 r180; Mechanical14 "H" at 74.023,116.838 h0.4 r180; Mechanical14 "M" at 74.023,120.038 h0.4 r180; Mechanical14 "K" at 74.023,118.438 h0.4 r180; Mechanical14 "L" at 74.023,119.238 h0.4 r180; Mechanical14 "9" at 65.848,109.763 h0.4 r180; Mechanical14 "8" at 66.648,109.763 h0.4 r180; Mechanical14 "7" at 67.448,109.763 h0.4 r180; Mechanical14 "3" at 70.648,109.763 h0.4 r180; Mechanical14 "2" at 71.448,109.763 h0.4 r180; Mechanical14 "1" at 72.248,109.763 h0.4 r180
IC14A: Mechanical14 "T" at 121.392,110.837 h0.4; Mechanical14 "J" at 121.392,116.437 h0.4; Mechanical14 "R" at 121.392,111.637 h0.4; Mechanical14 "P" at 121.392,112.437 h0.4; Mechanical14 "N" at 121.392,113.237 h0.4; Mechanical14 "B" at 121.392,122.037 h0.4; Mechanical14 "C" at 121.392,121.237 h0.4; Mechanical14 "D" at 121.392,120.437 h0.4; Mechanical14 "E" at 121.392,119.637 h0.4; Mechanical14 "F" at 121.392,118.837 h0.4; Mechanical14 "G" at 121.392,118.037 h0.4; Mechanical14 "H" at 121.392,117.237 h0.4; Mechanical14 "M" at 121.392,114.037 h0.4; Mechanical14 "K" at 121.392,115.637 h0.4; Mechanical14 "L" at 121.392,114.837 h0.4; Mechanical14 "9" at 129.567,124.312 h0.4; Mechanical14 "8" at 128.767,124.312 h0.4; Mechanical14 "7" at 127.967,124.312 h0.4; Mechanical14 "3" at 124.767,124.312 h0.4; Mechanical14 "2" at 123.967,124.312 h0.4; Mechanical14 "1" at 123.167,124.312 h0.4
IC14B: Mechanical14 "T" at 86.151,123.2 h0.4 r180; Mechanical14 "J" at 86.151,117.6 h0.4 r180; Mechanical14 "R" at 86.151,122.4 h0.4 r180; Mechanical14 "P" at 86.151,121.6 h0.4 r180; Mechanical14 "N" at 86.151,120.8 h0.4 r180; Mechanical14 "B" at 86.151,112 h0.4 r180; Mechanical14 "C" at 86.151,112.8 h0.4 r180; Mechanical14 "D" at 86.151,113.6 h0.4 r180; Mechanical14 "E" at 86.151,114.4 h0.4 r180; Mechanical14 "F" at 86.151,115.2 h0.4 r180; Mechanical14 "G" at 86.151,116 h0.4 r180; Mechanical14 "H" at 86.151,116.8 h0.4 r180; Mechanical14 "M" at 86.151,120 h0.4 r180; Mechanical14 "K" at 86.151,118.4 h0.4 r180; Mechanical14 "L" at 86.151,119.2 h0.4 r180; Mechanical14 "9" at 77.976,109.725 h0.4 r180; Mechanical14 "8" at 78.776,109.725 h0.4 r180; Mechanical14 "7" at 79.576,109.725 h0.4 r180; Mechanical14 "3" at 82.776,109.725 h0.4 r180; Mechanical14 "2" at 83.576,109.725 h0.4 r180; Mechanical14 "1" at 84.376,109.725 h0.4 r180
J2: TopOverlay "e" at 126.178,212.397 h1 r180; TopOverlay "d" at 127.734,212.436 h1 r180; TopOverlay "c" at 128.897,212.419 h1 r180; TopOverlay "b" at 130.167,212.419 h1 r180; TopOverlay "a" at 131.437,212.419 h1 r180; TopOverlay "f" at 124.905,212.563 h1 r180; TopOverlay "h" at 122.42,212.419 h1 r180; TopOverlay "g" at 123.762,212.309 h1 r180; TopOverlay "j" at 121.095,212.436 h1 r180; TopOverlay "k" at 119.825,212.436 h1 r180; TopOverlay "40" at 130.802,156.158 h1.2 r180; TopOverlay "1" at 132.779,207.737 h1 r180; Mechanical14 "a" at 131.437,212.419 h1 r180; Mechanical14 "b" at 130.167,212.419 h1 r180; Mechanical14 "c" at 128.897,212.419 h1 r180; Mechanical14 "d" at 127.734,212.436 h1 r180; Mechanical14 "e" at 126.178,212.397 h1 r180; Mechanical14 "f" at 124.905,212.563 h1 r180; Mechanical14 "h" at 122.42,212.419 h1 r180; Mechanical14 "g" at 123.762,212.309 h1 r180; Mechanical14 "j" at 121.095,212.436 h1 r180; Mechanical14 "k" at 119.825,212.436 h1 r180; Mechanical14 "40" at 130.802,156.158 h1.2 r180; Mechanical14 "1" at 132.779,207.737 h1 r180
J2_1: TopOverlay "e" at 126.178,81.027 h1 r180; TopOverlay "d" at 127.734,81.066 h1 r180; TopOverlay "c" at 128.897,81.049 h1 r180; TopOverlay "b" at 130.167,81.049 h1 r180; TopOverlay "a" at 131.437,81.049 h1 r180; TopOverlay "f" at 124.905,81.193 h1 r180; TopOverlay "h" at 122.42,81.049 h1 r180; TopOverlay "g" at 123.762,80.939 h1 r180; TopOverlay "j" at 121.095,81.066 h1 r180; TopOverlay "k" at 119.825,81.066 h1 r180; TopOverlay "40" at 130.802,24.788 h1.2 r180; TopOverlay "1" at 132.779,76.367 h1 r180; Mechanical14 "a" at 131.437,81.049 h1 r180; Mechanical14 "b" at 130.167,81.049 h1 r180; Mechanical14 "c" at 128.897,81.049 h1 r180; Mechanical14 "d" at 127.734,81.066 h1 r180; Mechanical14 "e" at 126.178,81.027 h1 r180; Mechanical14 "f" at 124.905,81.193 h1 r180; Mechanical14 "h" at 122.42,81.049 h1 r180; Mechanical14 "g" at 123.762,80.939 h1 r180; Mechanical14 "j" at 121.095,81.066 h1 r180; Mechanical14 "k" at 119.825,81.066 h1 r180; Mechanical14 "40" at 130.802,24.788 h1.2 r180; Mechanical14 "1" at 132.779,76.367 h1 r180
J2A: TopOverlay "e" at 126.178,212.397 h1 r180; TopOverlay "d" at 127.734,212.436 h1 r180; TopOverlay "c" at 128.897,212.419 h1 r180; TopOverlay "b" at 130.167,212.419 h1 r180; TopOverlay "a" at 131.437,212.419 h1 r180; TopOverlay "f" at 124.905,212.563 h1 r180; TopOverlay "h" at 122.42,212.419 h1 r180; TopOverlay "g" at 123.762,212.309 h1 r180; TopOverlay "j" at 121.095,212.436 h1 r180; TopOverlay "k" at 119.825,212.436 h1 r180; TopOverlay "40" at 130.802,156.158 h1.2 r180; TopOverlay "1" at 132.779,207.737 h1 r180; Mechanical14 "a" at 131.437,212.419 h1 r180; Mechanical14 "b" at 130.167,212.419 h1 r180; Mechanical14 "c" at 128.897,212.419 h1 r180; Mechanical14 "d" at 127.734,212.436 h1 r180; Mechanical14 "e" at 126.178,212.397 h1 r180; Mechanical14 "f" at 124.905,212.563 h1 r180; Mechanical14 "h" at 122.42,212.419 h1 r180; Mechanical14 "g" at 123.762,212.309 h1 r180; Mechanical14 "j" at 121.095,212.436 h1 r180; Mechanical14 "k" at 119.825,212.436 h1 r180; Mechanical14 "40" at 130.802,156.158 h1.2 r180; Mechanical14 "1" at 132.779,207.737 h1 r180
J2B: TopOverlay "e" at 126.178,81.027 h1 r180; TopOverlay "d" at 127.734,81.066 h1 r180; TopOverlay "c" at 128.897,81.049 h1 r180; TopOverlay "b" at 130.167,81.049 h1 r180; TopOverlay "a" at 131.437,81.049 h1 r180; TopOverlay "f" at 124.905,81.193 h1 r180; TopOverlay "h" at 122.42,81.049 h1 r180; TopOverlay "g" at 123.762,80.939 h1 r180; TopOverlay "j" at 121.095,81.066 h1 r180; TopOverlay "k" at 119.825,81.066 h1 r180; TopOverlay "40" at 130.802,24.788 h1.2 r180; TopOverlay "1" at 132.779,76.367 h1 r180; Mechanical14 "a" at 131.437,81.049 h1 r180; Mechanical14 "b" at 130.167,81.049 h1 r180; Mechanical14 "c" at 128.897,81.049 h1 r180; Mechanical14 "d" at 127.734,81.066 h1 r180; Mechanical14 "e" at 126.178,81.027 h1 r180; Mechanical14 "f" at 124.905,81.193 h1 r180; Mechanical14 "h" at 122.42,81.049 h1 r180; Mechanical14 "g" at 123.762,80.939 h1 r180; Mechanical14 "j" at 121.095,81.066 h1 r180; Mechanical14 "k" at 119.825,81.066 h1 r180; Mechanical14 "40" at 130.802,24.788 h1.2 r180; Mechanical14 "1" at 132.779,76.367 h1 r180
J7A: TopOverlay "10" at 136.965,143.692 h1.2 r90; TopOverlay "1" at 139.565,129.817 h1.2 r90; Mechanical14 "10" at 136.965,143.692 h1.2 r90; Mechanical14 "1" at 139.565,129.817 h1.2 r90
J7B: TopOverlay "10" at 136.965,103.22 h1.2 r90; TopOverlay "1" at 139.565,89.345 h1.2 r90; Mechanical14 "10" at 136.965,103.22 h1.2 r90; Mechanical14 "1" at 139.565,89.345 h1.2 r90
P3: Mechanical15 "Board Edge" at 161,95.98 h1.5 r90